# Altium PCB 电解水杯拼版6in1.PcbDoc (part 3 of 9) (continued)
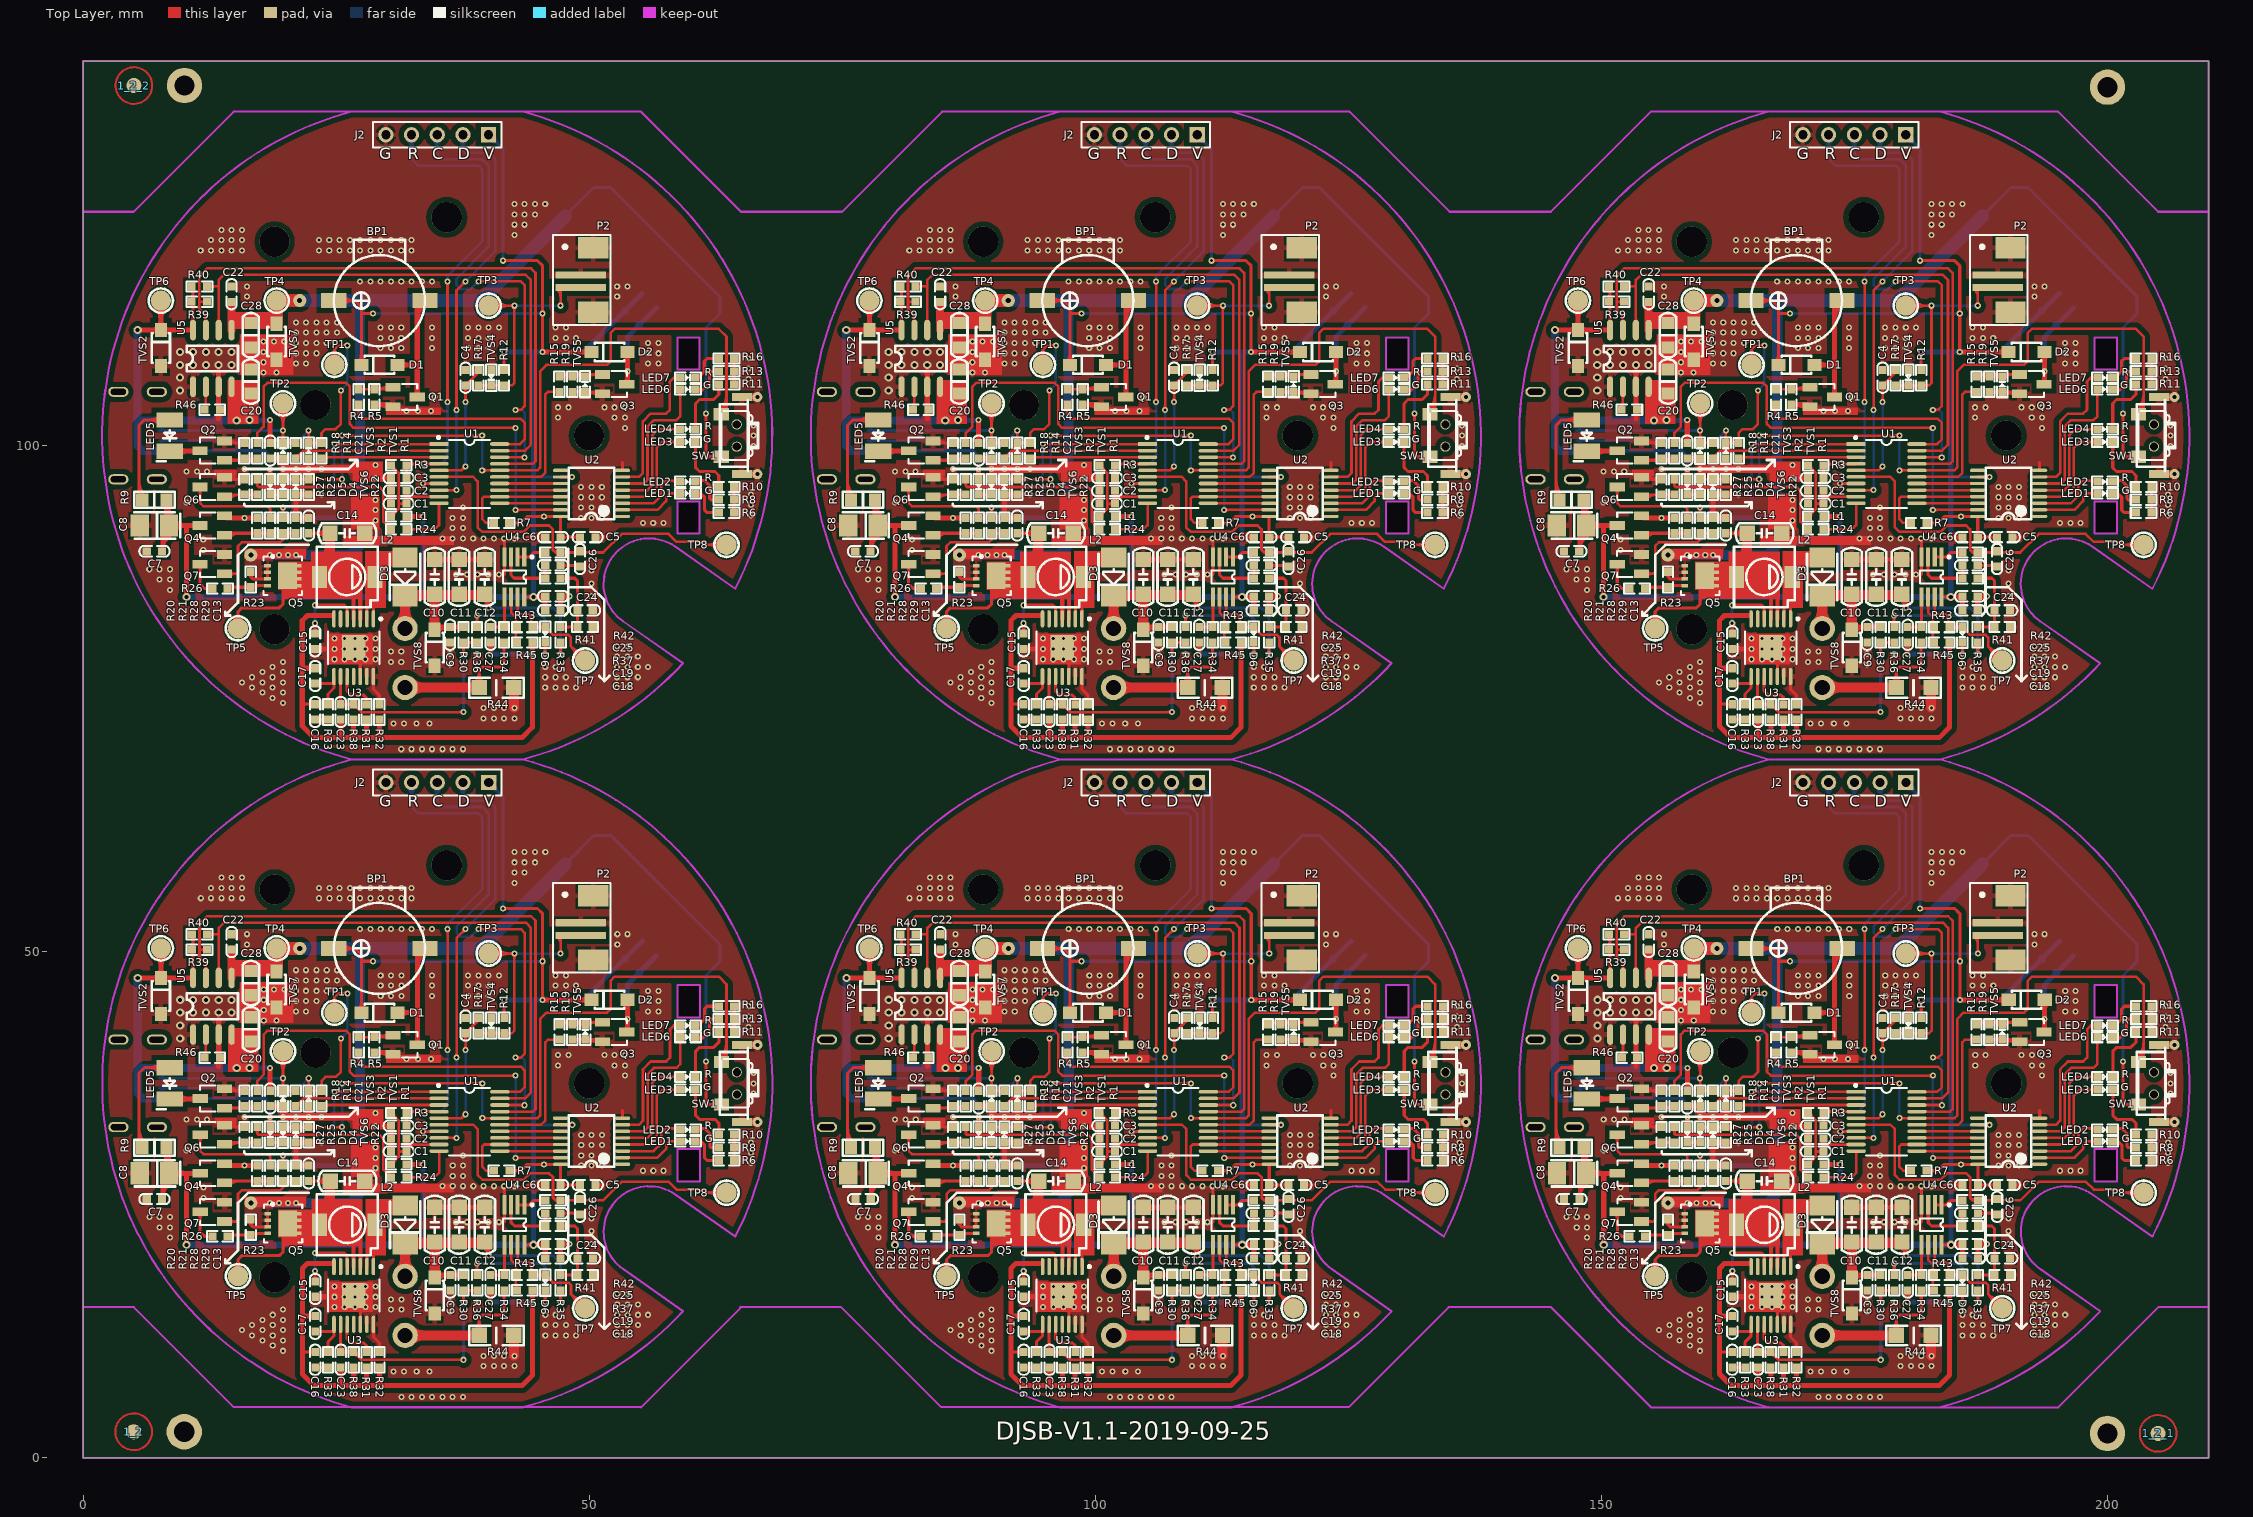
[diagram p0: Top Layer view]
## Nets (pads, with @x,y where several pads share a name; then routed paths per layer and width w, separated by ;. In a path a pad name is that pad's centre, name@x,y a point inside that pad or via, vN(x,y) a via of type N, cw(c..) or ccw(c..) an arc to the next point about the centre after c; other vN are vias at no path point) (continued)
46.929,30.96 ; 41.174,31.61 46.929,31.61 ; 41.174,32.26 46.929,32.26 ; 41.416,105.773 ccw(c40.983,105.34) 40.983,105.953 ccw(c40.983,106.566) 41.416,106.133 ; 41.422,41.773 ccw(c40.988,41.34) 40.988,41.953 ccw(c40.988,42.566) 41.422,42.133 ; 41.776,105.773 cw(c42.209,105.34) 42.209,105.953 cw(c42.209,106.566) 41.776,106.133 ; 41.781,41.773 cw(c42.215,41.34) 42.215,41.953 cw(c42.215,42.566) 41.781,42.133 ; 42.287,85.055 42.287,83.538 42.739,83.086 42.739,82.078 42.739,80.554 ; 42.293,21.055 42.293,19.538 42.744,19.086 42.744,18.078 42.744,16.554 ; v1@42.49,113.949 cw(c42.194,114.245) 42.194,113.827 cw(c42.194,113.409) 42.49,113.705 cw(c42.194,113.409) 42.612,113.409 cw(c43.03,113.409) v1@42.734,113.705 ; v1@42.495,49.949 cw(c42.2,50.245) 42.2,49.827 cw(c42.2,49.409) 42.495,49.705 cw(c42.2,49.409) 42.618,49.409 cw(c43.035,49.409) v1@42.74,49.705 ; v1@42.617,101.64 ccw(c42.321,101.344) 42.321,101.762 ccw(c42.321,102.18) v1@42.617,101.884 ; v1@42.622,37.64 ccw(c42.327,37.344) 42.327,37.762 ccw(c42.327,38.18) v1@42.622,37.884 ; 42.739,81.202 cw(c43.722,81.202) 43.027,81.897 ; 42.739,81.428 ccw(c43.722,81.428) 43.027,80.733 ; 42.739,82.952 ccw(c43.722,82.952) 43.027,82.257 ; v1@42.739,93.66 47.163,93.66 ; 42.744,17.202 cw(c43.727,17.202) 43.032,17.897 ; 42.744,17.428 ccw(c43.727,17.428) 43.032,16.733 ; 42.744,18.952 ccw(c43.727,18.952) 43.032,18.257 ; v1@42.745,29.66 47.169,29.66 ; v1@42.861,93.512 cw(c43.22,93.154) 43.22,93.66 ; v1@42.861,93.756 ccw(c43.094,93.989) 43.094,93.66 ; v1@42.861,103.418 cw(c43.157,103.122) 43.157,103.54 cw(c43.157,103.958) v1@42.861,103.662 ; v1@42.867,29.512 cw(c43.225,29.154) 43.225,29.66 ; v1@42.867,29.756 ccw(c43.099,29.989) 43.099,29.66 ; v1@42.867,39.418 cw(c43.162,39.122) 43.162,39.54 cw(c43.162,39.958) v1@42.867,39.662 ; 42.937,85.055 42.937,83.53 43.12,83.347 44.009,83.347 44.263,83.093 44.263,82.078 45.66,82.078 46.422,81.316 47.946,81.316 48.2,81.062 48.2,80.173 ; 42.943,21.055 42.943,19.53 43.126,19.347 44.014,19.347 44.268,19.093 44.268,18.078 45.665,18.078 46.427,17.316 47.951,17.316 48.205,17.062 48.205,16.173 ; 43.16,98.862 cw(c43.16,98.373) v1@43.506,98.719 ; 43.166,34.862 cw(c43.166,34.373) v1@43.511,34.719 ; 43.261,98.862 ccw(c43.261,99.209) v1@43.506,98.963 ; 43.266,34.862 ccw(c43.266,35.209) v1@43.511,34.963 ; 44.263,82.952 ccw(c45.246,82.952) 44.551,82.257 ; 44.268,18.952 ccw(c45.251,18.952) 44.556,18.257 ; 44.589,81.897 cw(c45.024,81.462) 45.024,82.078 ; 44.589,82.257 ccw(c45.021,82.689) 45.021,82.078 ; 44.594,17.897 cw(c45.029,17.462) 45.029,18.078 ; 44.594,18.257 ccw(c45.026,18.689) 45.026,18.078 ; 45.48,81.898 ccw(c45.047,81.464) 45.047,82.078 ccw(c45.047,82.691) 45.48,82.257 ; 45.486,17.898 ccw(c45.052,17.464) 45.052,18.078 ccw(c45.052,18.691) 45.486,18.257 ; 45.66,81.805 cw(c45.66,81.146) 46.126,81.612 ; 45.665,17.805 cw(c45.665,17.146) 46.131,17.612 ; 45.914,82.059 ccw(c46.481,82.059) 46.08,81.657 ; 45.919,18.059 ccw(c46.487,18.059) 46.085,17.657 ; 46.633,89.486 ccw(c46.924,89.777) 47.165,89.444 ; 46.638,25.486 ccw(c46.929,25.777) 47.17,25.444 ; 46.855,115.457 cw(c46.062,114.664) 47.184,114.664 ; 46.861,51.457 cw(c46.067,50.664) 47.19,50.664 ; 46.877,105.138 ccw(c46.444,104.705) 46.444,105.318 ccw(c46.444,105.931) 46.877,105.498 ; 46.883,41.138 ccw(c46.449,40.705) 46.449,41.318 ccw(c46.449,41.931) 46.883,41.498 ; 46.957,89.297 ccw(c46.675,89.099) 46.675,89.444 ; 46.957,89.59 cw(c46.675,89.788) 46.675,89.444 ; 46.963,25.297 ccw(c46.681,25.099) 46.681,25.444 ; 46.963,25.59 cw(c46.681,25.788) 46.681,25.444 ; 47.016,89.65 cw(c46.747,90.022) 46.422,89.697 ; 47.021,25.65 cw(c46.752,26.022) 46.428,25.697 ; 47.035,115.637 cw(c46.675,115.277) 47.184,115.277 ; 47.04,51.637 cw(c46.681,51.277) 47.19,51.277 ; 47.057,106.842 47.245,107.03 51.318,107.03 ; 47.063,42.842 47.251,43.03 51.324,43.03 ; v1@47.062,113.949 ccw(c46.766,114.245) 47.184,114.245 ccw(c47.602,114.245) v1@47.306,113.949 ; v1@47.067,49.949 ccw(c46.772,50.245) 47.19,50.245 ccw(c47.607,50.245) v1@47.312,49.949 ; v1(47.184,113.827) 47.184,115.605 47.194,115.615 49.163,115.615 ; v1(47.19,49.827) 47.19,51.605 47.2,51.615 49.169,51.615 ; 47.306,107.03 cw(c47.306,105.84) 48.147,106.681 ; 47.311,43.03 cw(c47.311,41.84) 48.153,42.681 ; 47.382,89.264 cw(c47.816,88.83) 47.816,89.444 cw(c47.816,90.057) 47.382,89.623 ; 47.388,25.264 cw(c47.821,24.83) 47.821,25.444 cw(c47.821,26.057) 47.388,25.623 ; 47.465,107.03 ccw(c47.465,106.453) 47.057,106.861 cw(c47.467,106.451) 47.467,107.031 ; 47.471,43.03 ccw(c47.471,42.453) 47.063,42.861 cw(c47.472,42.451) 47.472,43.031 ; 47.919,107.03 cw(c47.919,106.453) 48.327,106.861 ; 47.925,43.03 cw(c47.925,42.453) 48.333,42.861 ; 47.945,107.031 cw(c47.945,106.515) 48.327,106.861 ; 47.95,43.031 cw(c47.95,42.515) 48.333,42.861 ; 48.078,107.03 ccw(c48.078,105.84) 47.237,106.681 cw(c48.08,105.838) 48.08,107.031 ; 48.084,43.03 ccw(c48.084,41.84) 47.242,42.681 cw(c48.085,41.838) 48.085,43.031 ; 48.139,106.691 ccw(c47.372,105.996) 47.372,107.031 50.048,107.031 ccw(c50.048,106.833) 49.851,106.845 ; 48.144,42.691 ccw(c47.377,41.996) 47.377,43.031 50.053,43.031 ccw(c50.053,42.833) 49.856,42.845 ; 48.217,89.444 ccw(c48.217,90.423) 48.909,89.731 ; 48.222,25.444 ccw(c48.222,26.423) 48.915,25.731 ; 48.574,107.031 cw(c48.574,105.838) 49.417,106.681 ccw(c48.576,105.84) 48.576,107.03 ; 48.58,43.031 cw(c48.58,41.838) 49.423,42.681 ccw(c48.581,41.84) 48.581,43.03 ; 48.725,78.816 ccw(c46.928,78.901) 48.2,80.173 ; 48.73,14.816 ccw(c46.933,14.901) 48.205,16.173 ; 48.735,107.03 ccw(c48.735,106.453) 48.327,106.861 ; 48.737,107.031 ccw(c48.737,106.451) 48.327,106.861 ; 48.741,43.03 ccw(c48.741,42.453) 48.333,42.861 ; 48.742,43.031 ccw(c48.742,42.451) 48.333,42.861 ; 48.979,78.805 ccw(c47.704,78.864) 48.606,79.766 ccw(c49.508,80.668) 49.568,79.394 ; 48.984,14.805 ccw(c47.71,14.864) 48.612,15.766 ccw(c49.514,16.668) 49.573,15.394 ; 49.187,107.031 cw(c49.187,106.451) 49.597,106.861 ; 49.189,107.03 cw(c49.189,106.453) 49.597,106.861 ; 49.193,43.031 cw(c49.193,42.451) 49.603,42.861 ; 49.195,43.03 cw(c49.195,42.453) 49.603,42.861 ; 49.269,89.731 ccw(c49.961,90.423) 49.961,89.444 ; 49.274,25.731 ccw(c49.967,26.423) 49.967,25.444 ; 49.348,107.03 ccw(c49.348,105.84) 48.507,106.681 cw(c49.35,105.838) 49.35,107.031 ; 49.354,43.03 ccw(c49.354,41.84) 48.512,42.681 cw(c49.355,41.838) 49.355,43.031 ; 49.556,79.648 cw(c49.472,81.445) 48.2,80.173 ; 49.561,15.648 cw(c49.477,17.445) 48.205,16.173 ; 49.597,78.776 48.2,80.173 ; 49.602,14.776 48.205,16.173 ; 49.777,106.681 cw(c50.618,105.84) 50.618,107.03 ; 49.782,42.681 cw(c50.624,41.84) 50.624,43.03 ; 50.005,107.03 ccw(c50.005,106.453) 49.597,106.861 ; 50.011,43.03 ccw(c50.011,42.453) 49.603,42.861 ; 50.782,106.819 ccw(c50.274,106.311) 50.274,107.03 ccw(c50.274,107.749) 50.782,107.241 ; 50.788,42.819 ccw(c50.279,42.311) 50.279,43.03 ccw(c50.279,43.749) 50.788,43.241 ; 53.061,93.66 56.735,93.66 57.598,94.523 57.598,94.904 57.979,95.285 58.995,95.285 ; 53.061,94.31 56.369,94.31 57.128,95.069 57.128,96.085 57.598,96.555 58.995,96.555 ; 53.061,94.96 56.003,94.96 56.674,95.631 56.674,99.822 57.217,100.365 58.995,100.365 ; 53.061,95.61 55.764,95.61 56.22,96.066 56.22,101.019 56.836,101.635 58.995,101.635 ; 53.061,96.26 55.398,96.26 55.766,96.628 55.766,101.889 56.401,102.524 58.614,102.524 58.995,102.905 58.995,105.572 ; 53.061,96.91 54.905,96.91 55.312,97.317 55.312,102.397 56.074,103.159 57.598,103.159 57.979,103.54 57.979,106.334 58.36,106.715 58.741,106.715 ; 53.067,29.66 56.741,29.66 57.604,30.523 57.604,30.904 57.985,31.285 59.001,31.285 ; 53.067,30.31 56.375,30.31 57.134,31.069 57.134,32.085 57.604,32.555 59.001,32.555 ; 53.067,30.96 56.009,30.96 56.68,31.631 56.68,35.822 57.223,36.365 59.001,36.365 ; 53.067,31.61 55.77,31.61 56.226,32.066 56.226,37.019 56.842,37.635 59.001,37.635 ; 53.067,32.26 55.404,32.26 55.772,32.628 55.772,37.889 56.407,38.524 58.62,38.524 59.001,38.905 59.001,41.572 ; 53.067,32.91 54.911,32.91 55.318,33.317 55.318,38.397 56.08,39.159 57.604,39.159 57.985,39.54 57.985,42.334 58.366,42.715 58.747,42.715 ; 58.056,96.555 cw(c58.056,95.508) 58.796,96.248 ; 58.062,32.555 cw(c58.062,31.508) 58.802,32.248 ; 58.796,95.105 ccw(c58.363,94.672) 58.363,95.285 ccw(c58.363,95.898) 58.796,95.465 ; 58.796,100.185 ccw(c58.363,99.752) 58.363,100.365 ccw(c58.363,100.978) 58.796,100.545 ; 58.796,101.455 ccw(c58.363,101.022) 58.363,101.635 ccw(c58.363,102.248) 58.796,101.815 ; 58.796,106.535 ccw(c58.363,106.102) 58.363,106.715 ccw(c58.363,107.328) 58.796,106.895 ; 58.802,31.105 ccw(c58.368,30.672) 58.368,31.285 ccw(c58.368,31.898) 58.802,31.465 ; 58.802,36.185 ccw(c58.368,35.752) 58.368,36.365 ccw(c58.368,36.978) 58.802,36.545 ; 58.802,37.455 ccw(c58.368,37.022) 58.368,37.635 ccw(c58.368,38.248) 58.802,37.815 ; 58.802,42.535 ccw(c58.368,42.102) 58.368,42.715 ccw(c58.368,43.328) 58.802,42.895 ; 58.815,105.392 cw(c58.382,104.959) 58.995,104.959 cw(c59.608,104.959) 59.175,105.392 ; 58.821,41.392 cw(c58.387,40.959) 59.001,40.959 cw(c59.614,40.959) 59.18,41.392 ; 62.874,103.435 ccw(c61.202,105.107) 63.567,105.107 ; 62.88,39.435 ccw(c61.207,41.107) 63.573,41.107 ; 62.906,89.635 ccw(c61.662,88.563) 61.662,90.205 ; 62.906,90.775 cw(c61.662,91.847) 61.662,90.205 ; 62.911,25.635 ccw(c61.668,24.563) 61.668,26.205 ; 62.911,26.775 cw(c61.668,27.847) 61.668,26.205 ; 63.054,103.256 ccw(c61.815,104.494) 63.567,104.494 ; 63.059,39.256 ccw(c61.821,40.494) 63.573,40.494 ; 63.098,89.801 ccw(c62.216,89.041) 62.216,90.205 ccw(c62.216,91.369) 63.098,90.609 ; 63.104,25.801 ccw(c62.222,25.041) 62.222,26.205 ccw(c62.222,27.369) 63.104,26.609 ; 63.234,103.076 ccw(c62.428,103.881) 63.567,103.881 ; 63.239,39.076 ccw(c62.434,39.881) 63.573,39.881 ; 63.567,90.205 61.662,90.205 ; 63.573,26.205 61.668,26.205 ; 81.356,95.709 cw(c80.848,95.201) 81.567,95.201 cw(c82.287,95.201) 81.778,95.709 ; 81.362,31.709 cw(c80.853,31.201) 81.573,31.201 cw(c82.292,31.201) 81.783,31.709 ; 81.504,114.208 82.259,114.208 ; 81.509,50.208 82.265,50.208 ; 81.567,95.92 81.567,94.326 81.878,94.015 88.228,94.015 88.482,93.761 88.482,92.872 ; 81.573,31.92 81.573,30.326 81.884,30.015 88.234,30.015 88.488,29.761 88.488,28.872 ; 81.844,103.72 ccw(c81.15,104.414) 82.132,104.414 ; 81.85,39.72 ccw(c81.156,40.414) 82.138,40.414 ; 82.006,104.989 cw(c81.703,104.686) 82.132,104.686 cw(c82.561,104.686) 82.258,104.989 ; 82.006,112.251 ccw(c81.703,112.554) 82.132,112.554 ccw(c82.561,112.554) 82.258,112.251 ; 82.012,40.989 cw(c81.708,40.686) 82.138,40.686 cw(c82.567,40.686) 82.263,40.989 ; 82.012,48.251 ccw(c81.708,48.554) 82.138,48.554 ccw(c82.567,48.554) 82.263,48.251 ; 82.06,114.028 ccw(c81.627,113.595) 81.627,114.208 ccw(c81.627,114.821) 82.06,114.388 ; 82.066,50.028 ccw(c81.632,49.595) 81.632,50.208 ccw(c81.632,50.821) 82.066,50.388 ; 82.132,103.667 82.132,105.826 ; 82.132,111.414 82.132,112.874 81.5,113.507 81.5,116.752 82.258,117.51 114.263,117.51 114.698,117.075 114.698,98.46 114.45,98.212 111.167,98.212 ; 82.138,39.667 82.138,41.826 ; 82.138,47.414 82.138,48.874 81.505,49.507 81.505,52.752 82.263,53.51 114.269,53.51 114.704,53.075 114.704,34.46 114.455,34.212 111.173,34.212 ; 82.259,115.732 83.398,115.732 ; 82.265,51.732 83.404,51.732 ; 82.458,115.552 cw(c82.891,115.119) 82.891,115.732 cw(c82.891,116.345) 82.458,115.912 ; 82.463,51.552 cw(c82.897,51.119) 82.897,51.732 cw(c82.897,52.345) 82.463,51.912 ; 83.276,112.251 ccw(c82.973,112.554) 83.402,112.554 ccw(c83.831,112.554) 83.528,112.251 ; 83.282,48.251 ccw(c82.978,48.554) 83.408,48.554 ccw(c83.837,48.554) 83.533,48.251 ; 83.402,111.414 83.402,116.371 83.898,116.867 107.789,116.867 107.797,116.875 113.736,116.875 114.244,116.367 114.244,100.092 113.664,99.512 111.167,99.512 ; 83.408,47.414 83.408,52.371 83.904,52.867 107.794,52.867 107.802,52.875 113.742,52.875 114.25,52.367 114.25,36.092 113.669,35.512 111.173,35.512 ; 83.967,87.35 85.119,87.35 85.307,87.538 85.307,90.078 85.688,90.459 89.498,90.459 89.752,90.713 ; 83.973,23.35 85.125,23.35 85.313,23.538 85.313,26.078 85.694,26.459 89.504,26.459 89.758,26.713 89.758,27.348 91.028,27.348 ; 84.156,95.159 85.942,95.159 87.212,95.159 ; 84.161,31.159 85.947,31.159 87.217,31.159 ; 84.323,94.939 cw(c84.854,94.408) 84.854,95.159 ; 84.329,30.939 cw(c84.859,30.408) 84.859,31.159 ; 84.503,87.139 cw(c85.012,86.631) 85.012,87.35 cw(c85.012,88.069) 84.503,87.561 ; 84.503,94.759 cw(c85.467,93.795) 85.467,95.159 ; 84.508,23.139 cw(c85.017,22.631) 85.017,23.35 cw(c85.017,24.069) 84.508,23.561 ; 84.508,30.759 cw(c85.472,29.795) 85.472,31.159 ; 85.762,94.979 ccw(c85.329,94.545) 85.329,95.159 ccw(c85.329,95.772) 85.762,95.338 ; 85.768,30.979 ccw(c85.334,30.545) 85.334,31.159 ccw(c85.334,31.772) 85.768,31.338 ; 86.121,94.979 cw(c86.555,94.545) 86.555,95.159 cw(c86.555,95.772) 86.121,95.338 ; 86.127,30.979 cw(c86.56,30.545) 86.56,31.159 cw(c86.56,31.772) 86.127,31.338 ; 87.032,94.979 ccw(c86.599,94.545) 86.599,95.159 ccw(c86.599,95.772) 87.032,95.338 ; 87.032,96.484 cw(c86.599,96.05) 87.212,96.05 cw(c87.825,96.05) 87.391,96.484 ; 87.038,30.979 ccw(c86.604,30.545) 86.604,31.159 ccw(c86.604,31.772) 87.038,31.338 ; 87.038,32.484 cw(c86.604,32.05) 87.217,32.05 cw(c87.83,32.05) 87.397,32.484 ; 87.212,96.683 87.212,96.047 87.339,95.92 88.482,95.92 ; 87.217,32.683 87.217,32.047 87.345,31.92 88.488,31.92 ; 87.304,100.365 87.212,100.273 87.212,101.256 87.85,101.893 87.85,105.83 88.227,106.207 95.975,106.207 96.356,105.826 96.356,102.143 96.737,101.762 v1(112.739,101.762) ; 87.31,36.365 87.218,36.273 87.218,37.256 87.855,37.893 87.855,41.83 88.232,42.207 95.981,42.207 96.362,41.826 96.362,38.143 96.743,37.762 v1(112.745,37.762) ; 88.302,93.071 ccw(c87.869,93.504) 88.482,93.504 ccw(c89.095,93.504) 88.662,93.071 ; 88.302,95.357 ccw(c87.869,95.79) 88.482,95.79 ccw(c89.095,95.79) 88.662,95.357 ; 88.308,29.071 ccw(c87.874,29.504) 88.488,29.504 ccw(c89.101,29.504) 88.667,29.071 ; 88.308,31.357 ccw(c87.874,31.79) 88.488,31.79 ccw(c89.101,31.79) 88.667,31.357 ; 88.662,94.978 cw(c89.095,94.545) 89.095,95.158 cw(c89.095,95.771) 88.662,95.338 ; 88.667,30.978 cw(c89.101,30.545) 89.101,31.158 cw(c89.101,31.771) 88.667,31.338 ; 89.135,103.558 cw(c87.644,102.067) 89.752,102.067 cw(c91.86,102.067) 90.369,103.558 ; 89.14,39.558 cw(c87.65,38.067) 89.758,38.067 cw(c91.865,38.067) 90.375,39.558 ; 89.314,103.737 cw(c88.258,102.681) 89.752,102.681 cw(c91.246,102.681) 90.19,103.737 ; 89.32,39.737 cw(c88.263,38.681) 89.758,38.681 cw(c91.252,38.681) 90.195,39.737 ; 89.572,94.978 ccw(c89.139,94.545) 89.139,95.158 ccw(c89.139,95.771) 89.572,95.338 ; 89.572,100.472 ccw(c89.139,100.905) 89.752,100.905 ccw(c90.365,100.905) 89.932,100.472 ; 89.575,91.153 cw(c89.147,90.726) 89.752,90.726 ; 89.575,93.075 ccw(c89.147,93.502) 89.752,93.502 ; 89.578,30.978 ccw(c89.144,30.545) 89.144,31.158 ccw(c89.144,31.771) 89.578,31.338 ; 89.578,36.472 ccw(c89.144,36.905) 89.758,36.905 ccw(c90.371,36.905) 89.937,36.472 ; 89.58,27.153 cw(c89.153,26.726) 89.758,26.726 ; 89.58,29.075 ccw(c89.153,29.502) 89.758,29.502 ; v1@89.63,93.766 cw(c89.334,93.47) 89.752,93.47 cw(c90.17,93.47) v1@89.874,93.766 ; v1@89.63,101.386 cw(c89.334,101.09) 89.752,101.09 cw(c90.17,101.09) v1@89.874,101.386 ; v1@89.63,101.63 ccw(c89.334,101.926) 89.752,101.926 ccw(c90.17,101.926) v1@89.874,101.63 ; v1@89.635,29.766 cw(c89.34,29.47) 89.758,29.47 cw(c90.175,29.47) v1@89.88,29.766 ; v1@89.635,37.386 cw(c89.34,37.09) 89.758,37.09 cw(c90.175,37.09) v1@89.88,37.386 ; v1@89.635,37.63 ccw(c89.34,37.926) 89.758,37.926 ccw(c90.175,37.926) v1@89.88,37.63 ; 89.752,92.872 v1(89.752,93.888) ; 89.752,93.514 ccw(c90.374,93.514) 89.934,93.075 ; 89.752,95.158 88.482,95.158 88.482,95.92 ; 89.752,96.682 91.022,96.682 92.292,96.682 v1(95.594,96.682) ; 89.752,100.238 89.752,100.273 ; 89.752,104.175 v1(89.752,101.508) 89.752,100.273 ; 89.758,26.714 cw(c90.379,26.714) 89.94,27.153 ; 89.758,28.872 v1(89.758,29.888) ; 89.758,29.514 ccw(c90.379,29.514) 89.94,29.075 ; 89.758,31.158 88.488,31.158 88.488,31.92 ; 89.758,32.682 91.028,32.682 92.298,32.682 v1(95.6,32.682) ; 89.758,36.238 89.758,36.273 ; 89.758,40.175 v1(89.758,37.508) 89.758,36.273 ; 89.932,96.502 cw(c90.365,96.069) 90.365,96.682 cw(c90.365,97.295) 89.932,96.862 ; 89.932,100.093 cw(c90.365,99.66) 90.365,100.273 cw(c90.365,100.886) 89.932,100.453 ; 89.934,91.153 ccw(c90.374,90.714) 89.752,90.714 ; 89.934,91.172 cw(c90.358,90.748) 90.358,91.348 ; 89.934,91.532 ccw(c90.377,91.975) 90.377,91.348 ; 89.937,32.502 cw(c90.371,32.069) 90.371,32.682 cw(c90.371,33.295) 89.937,32.862 ; 89.937,36.093 cw(c90.371,35.66) 90.371,36.273 cw(c90.371,36.886) 89.937,36.453 ; 89.94,27.172 cw(c90.364,26.748) 90.364,27.348 ; 89.94,27.532 ccw(c90.383,27.975) 90.383,27.348 ; 90.402,91.348 ccw(c90.402,91.975) 90.845,91.532 ; 90.407,27.348 ccw(c90.407,27.975) 90.85,27.532 ; 90.421,91.348 cw(c90.421,90.748) 90.845,91.172 ; 90.426,27.348 cw(c90.426,26.748) 90.85,27.172 ; 90.842,96.502 ccw(c90.409,96.069) 90.409,96.682 ccw(c90.409,97.295) 90.842,96.862 ; 90.842,100.093 ccw(c90.409,99.66) 90.409,100.273 ccw(c90.409,100.886) 90.842,100.453 ; 90.848,32.502 ccw(c90.414,32.069) 90.414,32.682 ccw(c90.414,33.295) 90.848,32.862 ; 90.848,36.093 ccw(c90.414,35.66) 90.414,36.273 ccw(c90.414,36.886) 90.848,36.453 ; 91.022,91.348 89.752,91.348 89.752,90.713 ; 91.022,98.749 91.784,99.511 105.166,99.511 ; 91.022,99.022 ccw(c91.022,99.681) 91.488,99.215 ; 91.022,100.273 89.752,100.273 ; 91.028,34.749 91.79,35.511 105.172,35.511 ; 91.028,35.022 ccw(c91.028,35.681) 91.494,35.215 ; 91.028,36.273 89.758,36.273 ; 91.202,96.502 cw(c91.635,96.069) 91.635,96.682 cw(c91.635,97.295) 91.202,96.862 ; 91.207,32.502 cw(c91.641,32.069) 91.641,32.682 cw(c91.641,33.295) 91.207,32.862 ; 91.276,98.768 cw(c91.843,98.768) 91.442,99.169 ; 91.282,34.768 cw(c91.849,34.768) 91.448,35.169 ; 92.112,96.502 ccw(c91.679,96.069) 91.679,96.682 ccw(c91.679,97.295) 92.112,96.862 ; 92.112,100.472 ccw(c91.679,100.905) 92.292,100.905 ccw(c92.905,100.905) 92.472,100.472 ; 92.118,32.502 ccw(c91.684,32.069) 91.684,32.682 ccw(c91.684,33.295) 92.118,32.862 ; 92.118,36.472 ccw(c91.684,36.905) 92.298,36.905 ccw(c92.911,36.905) 92.477,36.472 ; v1@92.17,101.386 cw(c91.874,101.09) 92.292,101.09 cw(c92.71,101.09) v1@92.414,101.386 ; v1@92.175,37.386 cw(c91.88,37.09) 92.298,37.09 cw(c92.715,37.09) v1@92.42,37.386 ; 92.292,100.238 v1(92.292,101.508) ; 92.292,100.273 93.562,100.273 93.562,101.254 93.943,101.635 94.959,101.635 95.467,102.143 v1(95.467,105.445) ; 92.298,36.238 v1(92.298,37.508) ; 92.298,36.273 93.568,36.273 93.568,37.254 93.949,37.635 94.965,37.635 95.473,38.143 v1(95.473,41.445) ; 92.472,96.502 cw(c92.905,96.069) 92.905,96.682 cw(c92.905,97.295) 92.472,96.862 ; 92.472,100.093 cw(c92.905,99.66) 92.905,100.273 cw(c92.905,100.886) 92.472,100.453 ; 92.477,32.502 cw(c92.911,32.069) 92.911,32.682 cw(c92.911,33.295) 92.477,32.862 ; 92.477,36.093 cw(c92.911,35.66) 92.911,36.273 cw(c92.911,36.886) 92.477,36.453 ; 93.382,100.093 ccw(c92.949,99.66) 92.949,100.273 ccw(c92.949,100.886) 93.382,100.453 ; 93.382,100.472 ccw(c92.949,100.905) 93.562,100.905 ccw(c94.175,100.905) 93.742,100.472 ; 93.388,36.093 ccw(c92.954,35.66) 92.954,36.273 ccw(c92.954,36.886) 93.388,36.453 ; 93.388,36.472 ccw(c92.954,36.905) 93.568,36.905 ccw(c94.181,36.905) 93.747,36.472 ; 93.562,98.749 93.71,98.897 ; 93.568,34.749 93.715,34.897 ; 93.71,98.862 105.167,98.862 ; 93.715,34.862 105.173,34.862 ; 93.742,98.588 cw(c94.402,97.928) 94.402,98.862 ; 93.742,98.948 ccw(c93.949,99.155) 93.949,98.862 ; 93.747,34.588 cw(c94.407,33.928) 94.407,34.862 ; 93.747,34.948 ccw(c93.954,35.155) 93.954,34.862 ; 94.39,108.738 ccw(c93.938,109.509) 94.832,109.509 ; 94.396,44.738 ccw(c93.944,45.509) 94.838,45.509 ; 94.519,108.519 ccw(c94.198,109.066) 94.832,109.066 ccw(c95.466,109.066) 95.145,108.519 ; 94.524,44.519 ccw(c94.204,45.066) 94.838,45.066 ccw(c95.471,45.066) 95.151,44.519 ; v1(94.832,100.162) 105.167,100.162 ; 94.832,107.985 94.832,109.509 ; v1(94.838,36.162) 105.173,36.162 ; 94.838,43.985 94.838,45.509 ; v1@94.954,100.039 cw(c95.25,99.744) 95.25,100.162 cw(c95.25,100.579) v1@94.954,100.284 ; v1@94.96,36.039 cw(c95.255,35.744) 95.255,36.162 cw(c95.255,36.579) v1@94.96,36.284 ; 95.274,108.738 cw(c95.726,109.509) 94.832,109.509 ; 95.279,44.738 cw(c95.731,45.509) 94.838,45.509 ; v1@95.345,105.323 cw(c95.049,105.027) 95.467,105.027 cw(c95.885,105.027) v1@95.589,105.323 ; v1@95.35,41.323 cw(c95.055,41.027) 95.473,41.027 cw(c95.89,41.027) v1@95.595,41.323 ; v1@95.472,96.56 ccw(c95.176,96.264) 95.176,96.682 ccw(c95.176,97.1) v1@95.472,96.804 ; v1@95.477,32.56 ccw(c95.182,32.264) 95.182,32.682 ccw(c95.182,33.1) v1@95.477,32.804 ; v1(95.594,101) v1(109.437,101) ; v1(95.6,37) v1(109.443,37) ; v1@95.716,100.878 cw(c96.012,100.582) 96.012,101 cw(c96.012,101.418) v1@95.716,101.122 ; v1@95.722,36.878 cw(c96.017,36.582) 96.017,37 cw(c96.017,37.418) v1@95.722,37.122 ; v1@95.98,109.768 ccw(c95.684,109.472) 95.684,109.89 ccw(c95.684,110.308) v1@95.98,110.012 ; v1@95.985,45.768 ccw(c95.69,45.472) 95.69,45.89 ccw(c95.69,46.308) v1@95.985,46.012 ; v1(96.102,109.89) 95.213,109.89 94.832,109.509 ; v1(96.108,45.89) 95.219,45.89 94.838,45.509 ; 96.737,74.185 cw(c96.737,73.526) 97.203,73.992 ; 96.737,74.458 97.511,73.684 v1@107.596,73.684 ; 96.742,10.185 cw(c96.742,9.526) 97.208,9.992 ; 96.742,10.458 97.516,9.684 v1@107.601,9.684 ; 96.991,74.439 ccw(c97.558,74.439) 97.157,74.037 ; 96.996,10.439 ccw(c97.564,10.439) 97.162,10.037 ; 97.065,103.849 cw(c96.632,103.416) 97.245,103.416 cw(c97.858,103.416) 97.425,103.849 ; 97.071,39.849 cw(c96.637,39.416) 97.251,39.416 cw(c97.864,39.416) 97.43,39.849 ; 97.245,104.048 97.245,102.905 97.499,102.651 113.247,102.651 113.628,102.27 113.628,100.619 113.171,100.162 111.167,100.162 ; 97.245,105.572 98.769,105.572 100.429,105.572 ; 97.251,40.048 97.251,38.905 97.505,38.651 113.253,38.651 113.634,38.27 113.634,36.619 113.176,36.162 111.173,36.162 ; 97.251,41.572 98.775,41.572 100.435,41.572 ; 97.425,105.392 cw(c97.858,104.959) 97.858,105.572 cw(c97.858,106.185) 97.425,105.752 ; 97.43,41.392 cw(c97.864,40.959) 97.864,41.572 cw(c97.864,42.185) 97.43,41.752 ; 98.589,105.392 ccw(c98.156,104.959) 98.156,105.572 ccw(c98.156,106.185) 98.589,105.752 ; 98.595,41.392 ccw(c98.161,40.959) 98.161,41.572 ccw(c98.161,42.185) 98.595,41.752 ; 98.901,105.808 ccw(c99.379,106.595) 99.617,105.706 ; 98.906,41.808 ccw(c99.384,42.595) 99.623,41.706 ; 98.949,105.392 cw(c99.382,104.959) 99.382,105.572 cw(c99.382,106.185) 98.949,105.752 ; 98.954,41.392 cw(c99.388,40.959) 99.388,41.572 cw(c99.388,42.185) 98.954,41.752 ; 99.119,105.572 ccw(c99.119,106.933) 100.081,105.971 ; 99.124,41.572 ccw(c99.124,42.933) 100.087,41.971 ; 99.732,105.572 ccw(c99.732,106.32) 100.261,105.791 ; 99.737,41.572 ccw(c99.737,42.32) 100.266,41.791 ; 99.954,92.195 cw(c99.488,91.729) 100.147,91.729 ; 99.959,28.195 cw(c99.493,27.729) 100.153,27.729 ; 100,92.149 ccw(c100.401,92.55) 100.401,91.983 ; 100.005,28.149 ccw(c100.407,28.55) 100.407,27.983 ; 100.42,91.729 99.658,92.491 99.658,95.539 99.277,95.92 88.482,95.92 ; 100.42,92.999 101.182,93.761 101.182,94.269 ; 100.42,98.079 101.182,97.317 101.182,94.269 ; 100.426,27.729 99.664,28.491 99.664,31.539 99.283,31.92 88.488,31.92 ; 100.426,28.999 101.188,29.761 101.188,30.269 ; 100.426,34.079 101.188,33.317 101.188,30.269 ; 100.439,93.253 ccw(c100.439,93.82) 100.84,93.419 ; 100.439,97.825 cw(c100.439,97.258) 100.84,97.659 ; 100.445,29.253 ccw(c100.445,29.82) 100.846,29.419 ; 100.445,33.825 cw(c100.445,33.258) 100.846,33.659 ; 100.693,92.999 cw(c101.352,92.999) 100.886,93.465 ; 100.693,98.079 ccw(c101.352,98.079) 100.886,97.613 ; 100.699,28.999 cw(c101.358,28.999) 100.892,29.465 ; 100.699,34.079 ccw(c101.358,34.079) 100.892,33.613 ; 101.745,94.089 ccw(c101.312,93.656) 101.312,94.269 ccw(c101.312,94.882) 101.745,94.449 ; 101.751,30.089 ccw(c101.317,29.656) 101.317,30.269 ccw(c101.317,30.882) 101.751,30.449 ; 101.944,91.729 104.738,91.729 105.167,92.158 105.167,94.312 ; 101.944,94.269 101.182,94.269 ; 101.95,27.729 104.744,27.729 105.173,28.158 105.173,30.312 ; 101.95,30.269 101.188,30.269 ; 102.143,91.549 cw(c102.576,91.116) 102.576,91.729 cw(c102.576,92.342) 102.143,91.909 ; 102.148,27.549 cw(c102.582,27.116) 102.582,27.729 cw(c102.582,28.342) 102.148,27.909 ; 105.167,95.612 v1(106.897,95.612) ; 105.167,96.912 108.551,96.912 108.986,96.477 108.986,91.933 109.44,91.479 113.504,91.479 114.139,92.114 116.044,92.114 116.422,91.735 116.422,89.697 ; 105.167,97.562 107.396,97.562 v1(107.786,97.952) ; 105.173,31.612 v1(106.903,31.612) ; 105.173,32.912 108.556,32.912 108.991,32.477 108.991,27.933 109.445,27.479 113.509,27.479 114.144,28.114 116.049,28.114 116.428,27.735 116.428,25.697 ; 105.173,33.562 107.401,33.562 v1(107.792,33.952) ; v1@105.886,104.424 ccw(c105.59,104.72) 106.008,104.72 ccw(c106.426,104.72) v1@106.13,104.424 ; v1@105.886,116.118 cw(c105.59,115.822) 106.008,115.822 cw(c106.426,115.822) v1@106.13,116.118 ; v1@105.891,40.424 ccw(c105.596,40.72) 106.014,40.72 ccw(c106.431,40.72) v1@106.136,40.424 ; v1@105.891,52.118 cw(c105.596,51.822) 106.014,51.822 cw(c106.431,51.822) v1@106.136,52.118 ; v1(106.008,104.302) v1(106.008,116.24) ; v1(106.014,40.302) v1(106.014,52.24) ; v1@106.775,95.489 ccw(c106.479,95.194) 106.479,95.612 ccw(c106.479,96.029) v1@106.775,95.734 ; v1@106.775,103.662 ccw(c106.479,103.958) 106.897,103.958 ccw(c107.315,103.958) v1@107.019,103.662 ; v1@106.78,31.489 ccw(c106.485,31.194) 106.485,31.612 ccw(c106.485,32.029) v1@106.78,31.734 ; v1@106.78,39.662 ccw(c106.485,39.958) 106.903,39.958 ccw(c107.32,39.958) v1@107.025,39.662 ; v1(106.897,103.54) 106.897,115.351 v1(107.786,116.24) ; v1(106.903,39.54) 106.903,51.351 v1(107.792,52.24) ; 107.151,73.684 ccw(c107.151,74.14) v1@107.473,73.817 ; 107.156,9.684 ccw(c107.156,10.14) v1@107.479,9.817 ; 107.205,73.684 cw(c107.205,73.305) v1@107.473,73.573 ; 107.211,9.684 cw(c107.211,9.305) v1@107.479,9.573 ; 107.606,105.754 cw(c107.173,105.321) 107.786,105.321 cw(c108.399,105.321) 107.966,105.754 ; 107.612,41.754 cw(c107.178,41.321) 107.792,41.321 cw(c108.405,41.321) 107.971,41.754 ; v1@107.613,97.952 cw(c107.195,97.952) 107.491,97.657 cw(c107.786,97.361) v1@107.786,97.779 ; v1@107.613,116.24 cw(c107.195,116.24) 107.491,115.945 cw(c107.786,115.649) v1@107.786,116.067 ; v1@107.619,33.952 cw(c107.201,33.952) 107.496,33.657 cw(c107.792,33.361) v1@107.792,33.779 ; v1@107.619,52.24 cw(c107.201,52.24) 107.496,51.945 cw(c107.792,51.649) v1@107.792,52.067 ; v1@107.664,104.424 ccw(c107.368,104.72) 107.786,104.72 ccw(c108.204,104.72) v1@107.908,104.424 ; v1@107.669,40.424 ccw(c107.374,40.72) 107.792,40.72 ccw(c108.209,40.72) v1@107.914,40.424 ; v1(107.786,104.302) 107.786,105.953 109.056,107.223 109.056,107.477 ; 107.786,106.226 ccw(c107.786,106.885) 108.252,106.419 ; v1(107.792,40.302) 107.792,41.953 109.062,43.223 109.062,43.477 ; 107.792,42.226 ccw(c107.792,42.885) 108.258,42.419 ; 108.04,105.972 cw(c108.607,105.972) 108.206,106.373 ; 108.046,41.972 cw(c108.613,41.972) 108.212,42.373 ; 108.456,106.623 ccw(c107.622,107.458) 108.802,107.458 ; 108.462,42.623 ccw(c107.627,43.458) 108.808,43.458 ; 108.89,107.057 ccw(c108.489,107.458) 109.056,107.458 ; 108.895,43.057 ccw(c108.494,43.458) 109.062,43.458 ; 109.056,105.953 110.326,105.953 111.596,105.953 112.358,105.953 112.612,106.207 v1(112.612,113.827) 109.957,113.827 ; v1(109.056,116.24) 113.247,116.24 113.628,115.859 113.628,103.921 113.247,103.54 v1(112.739,103.54) ; 109.062,41.953 110.332,41.953 111.602,41.953 112.364,41.953 112.618,42.207 v1(112.618,49.827) 109.963,49.827 ; v1(109.062,52.24) 113.253,52.24 113.634,51.859 113.634,39.921 113.253,39.54 v1(112.745,39.54) ; v1@109.178,116.118 cw(c109.474,115.822) 109.474,116.24 cw(c109.474,116.658) v1@109.178,116.362 ; v1@109.184,52.118 cw(c109.479,51.822) 109.479,52.24 cw(c109.479,52.658) v1@109.184,52.362 ; 109.236,105.773 cw(c109.669,105.34) 109.669,105.953 cw(c109.669,106.566) 109.236,106.133 ; 109.241,41.773 cw(c109.675,41.34) 109.675,41.953 cw(c109.675,42.566) 109.241,42.133 ; v1@109.315,100.878 ccw(c109.019,100.582) 109.019,101 ccw(c109.019,101.418) v1@109.315,101.122